# Altium PCB NZPP.PcbDoc (part 3 of 3)
Units mm, origin at the board's own origin, x right, y up, seen from the top; angles counter-clockwise.
Board outline 217.7 x 106.4 mm, 2 copper layers (Top Layer, Bottom Layer), stack 1.571 mm thick; 164 components, 125 nets, 738 pads, 4270 vias.
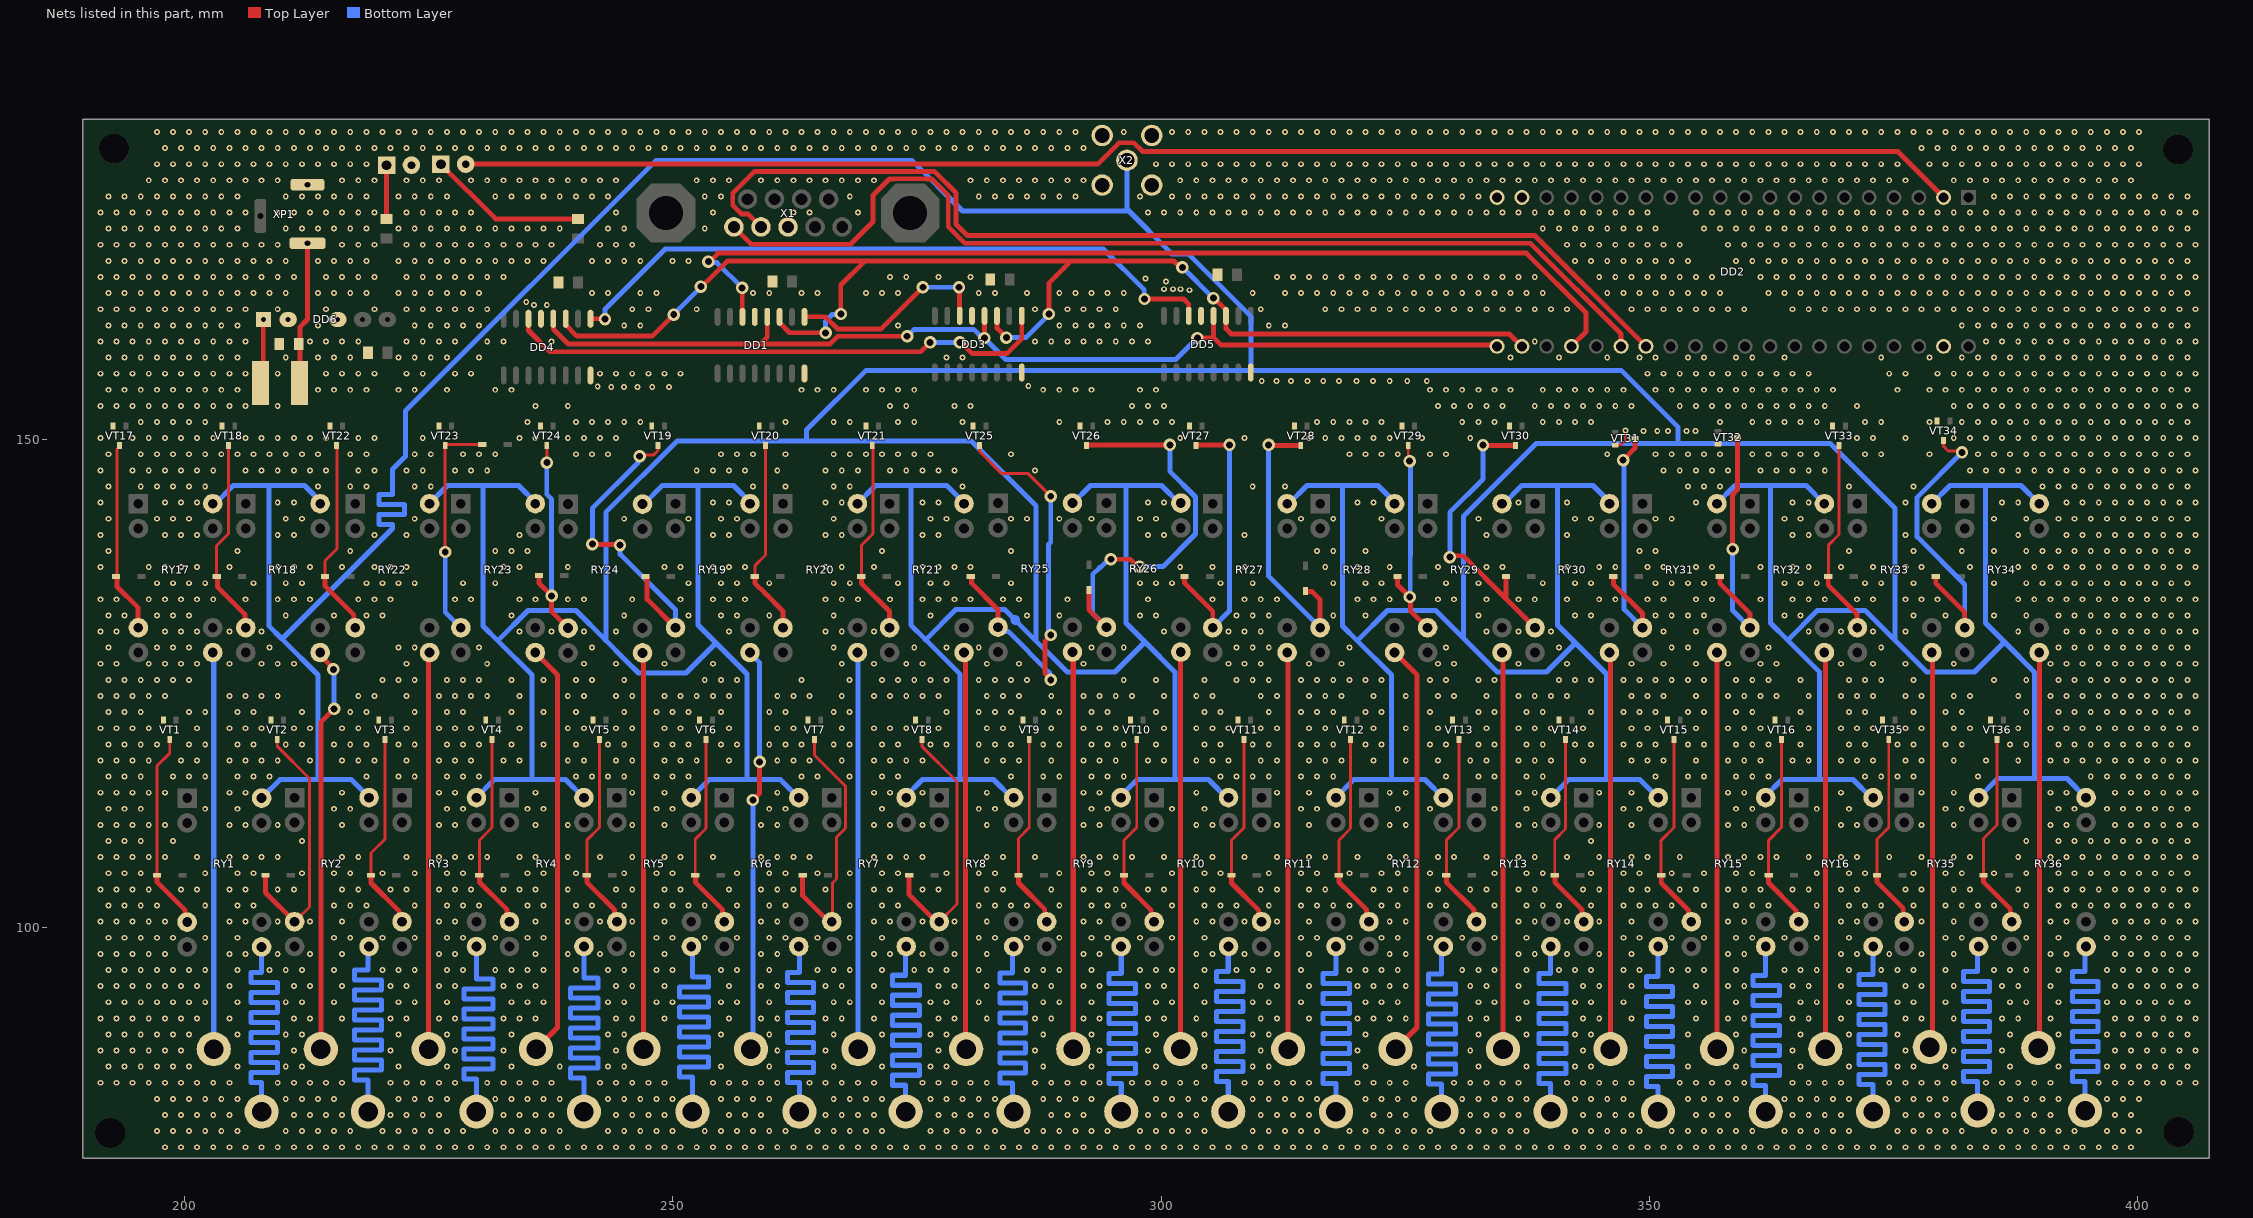
[diagram p3: the nets of this part, all layers, seen from the top]

## Via types
v1: diameter 0.6, hole 0.3, Top Layer to Bottom Layer, tented both sides, 4188 vias
v2: diameter 1.27, hole 0.711, Top Layer to Bottom Layer, tented both sides, 80 vias
v3: diameter 1.27, hole 0.711, Top Layer to Bottom Layer, 2 vias

## Nets (pads, with @x,y where several pads share a name; then routed paths per layer and width w, separated by ;. In a path a pad name is that pad's centre, name@x,y a point inside that pad or via, vN(x,y) a via of type N, cw(c..) or ccw(c..) an arc to the next point about the centre after c; other vN are vias at no path point) (continued)
GND: (continued)
  other v1: 235.125,171.6 236.775,171.6 238.425,171.6 243.375,171.6 245.025,171.6 253.275,171.6 339.075,171.6 340.725,171.6 342.375,171.6 344.025,171.6 345.675,171.6 347.325,171.6 348.975,171.6 350.625,171.6 355.575,171.6 357.225,171.6 358.875,171.6 360.525,171.6 362.175,171.6 363.825,171.6 365.475,171.6 367.125,171.6 368.775,171.6 370.425,171.6 372.075,171.6 373.725,171.6 375.375,171.6 377.025,171.6 378.675,171.6 380.325,171.6 381.975,171.6 383.625,171.6 385.275,171.6 386.925,171.6 388.575,171.6 390.225,171.6 391.875,171.6 393.525,171.6 395.175,171.6 396.825,171.6 398.475,171.6 400.125,171.6 401.775,171.6 403.425,171.6 405.075,171.6 191.4,173.25 193.05,173.25 194.7,173.25 196.35,173.25 198,173.25 199.65,173.25 201.3,173.25 202.95,173.25 204.6,173.25 206.25,173.25 209.55,173.25 211.2,173.25 212.85,173.25 214.5,173.25 216.15,173.25 217.8,173.25 219.45,173.25 222.75,173.25 224.4,173.25 226.05,173.25 227.7,173.25 229.35,173.25 244.2,173.25 254.1,173.25 262.35,173.25 264,173.25 268.95,173.25 298.65,173.25 300.3,173.25 301.95,173.25 303.6,173.25 305.25,173.25 306.9,173.25 308.55,173.25 310.2,173.25 311.85,173.25 313.5,173.25 315.15,173.25 316.8,173.25 318.45,173.25 320.1,173.25 321.75,173.25 323.4,173.25 325.05,173.25 326.7,173.25 328.35,173.25 330,173.25 331.65,173.25 333.3,173.25 334.95,173.25 336.6,173.25 338.25,173.25 339.9,173.25 341.55,173.25 343.2,173.25 344.85,173.25 346.5,173.25 348.15,173.25 349.8,173.25 354.75,173.25 356.4,173.25 358.05,173.25 359.7,173.25 361.35,173.25 363,173.25 364.65,173.25 366.3,173.25 367.95,173.25 369.6,173.25 371.25,173.25 372.9,173.25 374.55,173.25 376.2,173.25 377.85,173.25 379.5,173.25 381.15,173.25 382.8,173.25 384.45,173.25 386.1,173.25 387.75,173.25 389.4,173.25 391.05,173.25 392.7,173.25 394.35,173.25 396,173.25 397.65,173.25 399.3,173.25 400.95,173.25 402.6,173.25 404.25,173.25 405.9,173.25 192.225,174.9 193.875,174.9 195.525,174.9 197.175,174.9 198.825,174.9 200.475,174.9 202.125,174.9 203.775,174.9 205.425,174.9 210.375,174.9 212.025,174.9 213.675,174.9 215.325,174.9 216.975,174.9 218.625,174.9 221.925,174.9 223.575,174.9 225.225,174.9 226.875,174.9 231.825,174.9 233.475,174.9 235.125,174.9 236.775,174.9 238.425,174.9 240.075,174.9 241.725,174.9 243.375,174.9 253.275,174.9 254.925,174.9 268.125,174.9 281.325,174.9 282.975,174.9 284.625,174.9 286.275,174.9 287.925,174.9 289.575,174.9 291.225,174.9 297.825,174.9 301.125,174.9 302.775,174.9 304.425,174.9 306.075,174.9 307.725,174.9 309.375,174.9 311.025,174.9 312.675,174.9 314.325,174.9 315.975,174.9 317.625,174.9 319.275,174.9 320.925,174.9 322.575,174.9 324.225,174.9 325.875,174.9 327.525,174.9 329.175,174.9 330.825,174.9 332.475,174.9 385.275,174.9 386.925,174.9 388.575,174.9 390.225,174.9 391.875,174.9 393.525,174.9 395.175,174.9 396.825,174.9 398.475,174.9 400.125,174.9 401.775,174.9 403.425,174.9 405.075,174.9 196.35,176.55 198,176.55 199.65,176.55 201.3,176.55 202.95,176.55 204.6,176.55 206.25,176.55 207.9,176.55 209.55,176.55 216.15,176.55 217.8,176.55 219.45,176.55 222.75,176.55 224.4,176.55 226.05,176.55 229.35,176.55 231,176.55 232.65,176.55 234.3,176.55 235.95,176.55 237.6,176.55 239.25,176.55 240.9,176.55 242.55,176.55 244.2,176.55 252.45,176.55 254.1,176.55 255.75,176.55 259.05,176.55 260.7,176.55 262.35,176.55 264,176.55 265.65,176.55 267.3,176.55 268.95,176.55 270.6,176.55 280.5,176.55 282.15,176.55 283.8,176.55 285.45,176.55 287.1,176.55 288.75,176.55 290.4,176.55 292.05,176.55 301.95,176.55 303.6,176.55 305.25,176.55 306.9,176.55 308.55,176.55 310.2,176.55 311.85,176.55 313.5,176.55 315.15,176.55 316.8,176.55 318.45,176.55 320.1,176.55 321.75,176.55 323.4,176.55 325.05,176.55 326.7,176.55 328.35,176.55 330,176.55 331.65,176.55 333.3,176.55 334.95,176.55 336.6,176.55 338.25,176.55 339.9,176.55 341.55,176.55 343.2,176.55 344.85,176.55 346.5,176.55 348.15,176.55 349.8,176.55 351.45,176.55 353.1,176.55 354.75,176.55 356.4,176.55 358.05,176.55 359.7,176.55 361.35,176.55 363,176.55 364.65,176.55 366.3,176.55 367.95,176.55 369.6,176.55 371.25,176.55 372.9,176.55 374.55,176.55 376.2,176.55 381.15,176.55 382.8,176.55 384.45,176.55 386.1,176.55 387.75,176.55 389.4,176.55 391.05,176.55 392.7,176.55 394.35,176.55 396,176.55 397.65,176.55 399.3,176.55 197.175,178.2 198.825,178.2 200.475,178.2 202.125,178.2 203.775,178.2 205.425,178.2 207.075,178.2 208.725,178.2 210.375,178.2 212.025,178.2 213.675,178.2 215.325,178.2 216.975,178.2 218.625,178.2 299.475,178.2 301.125,178.2 302.775,178.2 304.425,178.2 306.075,178.2 307.725,178.2 309.375,178.2 311.025,178.2 312.675,178.2 314.325,178.2 315.975,178.2 317.625,178.2 319.275,178.2 320.925,178.2 322.575,178.2 324.225,178.2 325.875,178.2 327.525,178.2 329.175,178.2 330.825,178.2 332.475,178.2 334.125,178.2 335.775,178.2 337.425,178.2 339.075,178.2 340.725,178.2 342.375,178.2 344.025,178.2 345.675,178.2 347.325,178.2 348.975,178.2 350.625,178.2 352.275,178.2 353.925,178.2 355.575,178.2 357.225,178.2 358.875,178.2 360.525,178.2 362.175,178.2 363.825,178.2 365.475,178.2 367.125,178.2 368.775,178.2 370.425,178.2 372.075,178.2 373.725,178.2 375.375,178.2 378.675,178.2 380.325,178.2 381.975,178.2 383.625,178.2 385.275,178.2 386.925,178.2 388.575,178.2 390.225,178.2 391.875,178.2 393.525,178.2 395.175,178.2 396.825,178.2 398.475,178.2 400.125,178.2 198,179.85 199.65,179.85 201.3,179.85 202.95,179.85 204.6,179.85 206.25,179.85 207.9,179.85 209.55,179.85 211.2,179.85 212.85,179.85 214.5,179.85 216.15,179.85 217.8,179.85 219.45,179.85 221.1,179.85 222.75,179.85 224.4,179.85 226.05,179.85 227.7,179.85 229.35,179.85 231,179.85 232.65,179.85 234.3,179.85 235.95,179.85 237.6,179.85 239.25,179.85 240.9,179.85 242.55,179.85 244.2,179.85 245.85,179.85 247.5,179.85 249.15,179.85 250.8,179.85 252.45,179.85 254.1,179.85 255.75,179.85 257.4,179.85 259.05,179.85 260.7,179.85 262.35,179.85 264,179.85 265.65,179.85 267.3,179.85 268.95,179.85 270.6,179.85 272.25,179.85 273.9,179.85 275.55,179.85 277.2,179.85 278.85,179.85 280.5,179.85 282.15,179.85 283.8,179.85 285.45,179.85 287.1,179.85 288.75,179.85 290.4,179.85 292.05,179.85 377.85,179.85 379.5,179.85 381.15,179.85 382.8,179.85 384.45,179.85 386.1,179.85 387.75,179.85 389.4,179.85 391.05,179.85 392.7,179.85 394.35,179.85 396,179.85 397.65,179.85 399.3,179.85 197.175,181.5 198.825,181.5 200.475,181.5 202.125,181.5 203.775,181.5 205.425,181.5 207.075,181.5 208.725,181.5 210.375,181.5 212.025,181.5 213.675,181.5 215.325,181.5 216.975,181.5 218.625,181.5 220.275,181.5 221.925,181.5 223.575,181.5 225.225,181.5 226.875,181.5 228.525,181.5 230.175,181.5 231.825,181.5 233.475,181.5 235.125,181.5 236.775,181.5 238.425,181.5 240.075,181.5 241.725,181.5 243.375,181.5 245.025,181.5 246.675,181.5 248.325,181.5 249.975,181.5 251.625,181.5 253.275,181.5 254.925,181.5 256.575,181.5 258.225,181.5 259.875,181.5 261.525,181.5 263.175,181.5 264.825,181.5 266.475,181.5 268.125,181.5 269.775,181.5 271.425,181.5 273.075,181.5 274.725,181.5 276.375,181.5 278.025,181.5 279.675,181.5 281.325,181.5 282.975,181.5 284.625,181.5 286.275,181.5 287.925,181.5 289.575,181.5 291.225,181.5 296.175,181.5 301.125,181.5 302.775,181.5 304.425,181.5 306.075,181.5 307.725,181.5 309.375,181.5 311.025,181.5 312.675,181.5 314.325,181.5 315.975,181.5 317.625,181.5 319.275,181.5 320.925,181.5 322.575,181.5 324.225,181.5 325.875,181.5 327.525,181.5 329.175,181.5 330.825,181.5 332.475,181.5 334.125,181.5 335.775,181.5 337.425,181.5 339.075,181.5 340.725,181.5 342.375,181.5 344.025,181.5 345.675,181.5 347.325,181.5 348.975,181.5 350.625,181.5 352.275,181.5 353.925,181.5 355.575,181.5 357.225,181.5 358.875,181.5 360.525,181.5 362.175,181.5 363.825,181.5 365.475,181.5 367.125,181.5 368.775,181.5 370.425,181.5 372.075,181.5 373.725,181.5 375.375,181.5 377.025,181.5 378.675,181.5 380.325,181.5 381.975,181.5 383.625,181.5 385.275,181.5 386.925,181.5 388.575,181.5 390.225,181.5 391.875,181.5 393.525,181.5 395.175,181.5 396.825,181.5 398.475,181.5 400.125,181.5
MOSI: DD1.14 DD2.28 | length 104.4
  Top Layer w0.5: v2(253.645,168.22) 253.764,168.22 254.644,169.1 337.4,169.1 343.5,163 343.5,161.05 DD2.28@342,159.55 ; v2(257.1,165.539) 257.114,165.525 257.114,162.589 DD1.14@257.127,162.575
  Bottom Layer w0.5: v2(253.645,168.22) 253.737,168.128 254.511,168.128 v2(257.1,165.539)
NET1: 1.1 RY1.8 | length 46.2
  Bottom Layer w0.516: 1.1@207.9,81.2 207.9,83.91 207.9,84.168 206.81,84.168 206.81,85.192 209.525,85.192 209.525,86.216 206.81,86.216 206.81,87.24 209.525,87.24 209.525,88.264 206.81,88.264 206.81,89.288 209.525,89.288 209.525,90.312 206.81,90.312 206.81,91.336 209.525,91.336 209.525,92.36 206.81,92.36 206.81,93.384 209.525,93.384 209.525,94.408 206.81,94.408 206.81,95.432 207.9,95.432 207.9,96.039 RY1.8@207.9,98.06
NET2: 2.1 RY2.8 | length 47.6
  Bottom Layer w0.516: 2.1@218.8,81.2 218.8,84.189 218.8,84.447 217.391,84.447 217.391,85.471 220.186,85.471 220.186,86.495 217.391,86.495 217.391,87.519 220.186,87.519 220.186,88.543 217.391,88.543 217.391,89.567 220.186,89.567 220.186,90.591 217.391,90.591 217.391,91.615 220.186,91.615 220.186,92.639 217.391,92.639 217.391,93.663 220.186,93.663 220.186,94.687 217.391,94.687 217.391,95.711 218.8,95.711 218.8,96.039 RY2.8@218.8,98.06
NET3: 3.1 RY3.8 | length 46.4
  Bottom Layer w0.516: 3.1@229.9,81.2 229.9,84.3 229.9,84.558 228.646,84.558 228.646,85.582 231.599,85.582 231.599,86.606 228.646,86.606 228.646,87.63 231.599,87.63 231.599,88.654 228.646,88.654 228.646,89.678 231.599,89.678 231.599,90.702 228.646,90.702 228.646,91.726 231.599,91.726 231.599,92.75 228.646,92.75 228.646,93.774 231.599,93.774 231.599,94.798 229.9,94.798 229.9,96.039 RY3.8@229.9,98.06
NET4: 4.1 RY4.8 | length 45
  Bottom Layer w0.516: 4.1@240.9,81.2 240.9,84.4 240.9,84.658 239.517,84.658 239.517,85.682 242.335,85.682 242.335,86.706 239.517,86.706 239.517,87.73 242.335,87.73 242.335,88.754 239.517,88.754 239.517,89.778 242.335,89.778 242.335,90.802 239.517,90.802 239.517,91.826 242.335,91.826 242.335,92.85 239.517,92.85 239.517,93.874 242.335,93.874 242.335,94.898 240.9,94.898 240.9,96.039 RY4.8@240.9,98.06
NET5: 5.1 RY5.8 | length 46.3
  Bottom Layer w0.516: 5.1@252.011,81.2 252.011,84.5 252.011,84.758 250.706,84.758 250.706,85.782 253.646,85.782 253.646,86.806 250.706,86.806 250.706,87.83 253.646,87.83 253.646,88.854 250.706,88.854 250.706,89.878 253.646,89.878 253.646,90.902 250.706,90.902 250.706,91.926 253.646,91.926 253.646,92.95 250.706,92.95 250.706,93.974 253.646,93.974 253.646,94.998 252.011,94.998 252.011,96.039 RY5.8@252.011,98.06
NET6: 6.1 RY6.8 | length 45.9
  Bottom Layer w0.516: 6.1@262.964,81.2 262.964,83.9 262.964,84.158 261.738,84.158 261.738,85.182 264.395,85.182 264.395,86.206 261.738,86.206 261.738,87.23 264.395,87.23 264.395,88.254 261.738,88.254 261.738,89.278 264.395,89.278 264.395,90.302 261.738,90.302 261.738,91.326 264.395,91.326 264.395,92.35 261.738,92.35 261.738,93.374 264.395,93.374 264.395,94.398 261.738,94.398 261.738,95.422 262.964,95.422 262.964,96.039 RY6.8@262.964,98.06
NET7: 7.1 RY7.8 | length 46.8
  Bottom Layer w0.516: 7.1@273.844,81.2 273.844,83.638 273.844,83.896 272.507,83.896 272.507,84.92 275.238,84.92 275.238,85.944 272.507,85.944 272.507,86.968 275.238,86.968 275.238,87.992 272.507,87.992 272.507,89.016 275.238,89.016 275.238,90.04 272.507,90.04 272.507,91.064 275.238,91.064 275.238,92.088 272.507,92.088 272.507,93.112 275.238,93.112 275.238,94.136 272.507,94.136 272.507,95.16 273.844,95.16 273.844,96.039 RY7.8@273.844,98.06
NET8: 8.1 RY8.8 | length 45.9
  Bottom Layer w0.516: 8.1@284.8,81.5 284.8,83.86 284.8,84.118 283.49,84.118 283.49,85.142 286.131,85.142 286.131,86.166 283.49,86.166 283.49,87.19 286.131,87.19 286.131,88.214 283.49,88.214 283.49,89.238 286.131,89.238 286.131,90.262 283.49,90.262 283.49,91.286 286.131,91.286 286.131,92.31 283.49,92.31 283.49,93.334 286.131,93.334 286.131,94.358 283.49,94.358 283.49,95.382 284.8,95.382 284.8,96.339 RY8.8@284.8,98.36
NET9: 9.1 RY9.8 | length 46.4
  Bottom Layer w0.516: 9.1@295.917,81.2 295.917,83.8 295.917,84.058 294.654,84.058 294.654,85.082 297.358,85.082 297.358,86.106 294.654,86.106 294.654,87.13 297.358,87.13 297.358,88.154 294.654,88.154 294.654,89.178 297.358,89.178 297.358,90.202 294.654,90.202 294.654,91.226 297.358,91.226 297.358,92.25 294.654,92.25 294.654,93.274 297.358,93.274 297.358,94.298 294.654,94.298 294.654,95.322 295.917,95.322 295.917,96.039 RY9.8@295.917,98.06
NET10: 10.1 RY10.8 | length 46
  Bottom Layer w0.516: 10.1@306.87,81.2 306.87,84.039 306.87,84.297 305.685,84.297 305.685,85.321 308.36,85.321 308.36,86.345 305.685,86.345 305.685,87.369 308.36,87.369 308.36,88.393 305.685,88.393 305.685,89.417 308.36,89.417 308.36,90.441 305.685,90.441 305.685,91.465 308.36,91.465 308.36,92.489 305.685,92.489 305.685,93.513 308.36,93.513 308.36,94.537 305.685,94.537 305.685,95.561 306.87,95.561 306.87,96.039 RY10.8@306.87,98.06
NET11: 11.1 RY11.8 | length 46.4
  Bottom Layer w0.516: 11.1@317.9,81.2 317.9,83.81 317.9,84.068 316.587,84.068 316.587,85.092 319.276,85.092 319.276,86.116 316.587,86.116 316.587,87.14 319.276,87.14 319.276,88.164 316.587,88.164 316.587,89.188 319.276,89.188 319.276,90.212 316.587,90.212 316.587,91.236 319.276,91.236 319.276,92.26 316.587,92.26 316.587,93.284 319.276,93.284 319.276,94.308 316.587,94.308 316.587,95.332 317.9,95.332 317.9,96.039 RY11.8@317.9,98.06
NET12: 12.1 RY12.8 | length 47
  Bottom Layer w0.516: 12.1@328.7,81.2 328.7,83.769 328.7,84.027 327.375,84.027 327.375,85.051 330.121,85.051 330.121,86.075 327.375,86.075 327.375,87.099 330.121,87.099 330.121,88.123 327.375,88.123 327.375,89.147 330.121,89.147 330.121,90.171 327.375,90.171 327.375,91.195 330.121,91.195 330.121,92.219 327.375,92.219 327.375,93.243 330.121,93.243 330.121,94.267 327.375,94.267 327.375,95.291 328.7,95.291 328.7,96.039 RY12.8@328.7,98.06
NET13: 13.1 RY13.8 | length 46.9
  Bottom Layer w0.516: 13.1@339.873,81.2 339.873,83.81 339.873,84.068 338.682,84.068 338.682,85.092 341.451,85.092 341.451,86.116 338.682,86.116 338.682,87.14 341.451,87.14 341.451,88.164 338.682,88.164 338.682,89.188 341.451,89.188 341.451,90.212 338.682,90.212 338.682,91.236 341.451,91.236 341.451,92.26 338.682,92.26 338.682,93.284 341.451,93.284 341.451,94.308 338.682,94.308 338.682,95.332 339.873,95.332 339.873,96.039 RY13.8@339.873,98.06
NET14: 14.1 RY14.8 | length 45.6
  Bottom Layer w0.516: 14.1@350.861,81.2 350.861,83.52 350.861,83.778 349.712,83.778 349.712,84.802 352.352,84.802 352.352,85.826 349.712,85.826 349.712,86.85 352.352,86.85 352.352,87.874 349.712,87.874 349.712,88.898 352.352,88.898 352.352,89.922 349.712,89.922 349.712,90.946 352.352,90.946 352.352,91.97 349.712,91.97 349.712,92.994 352.352,92.994 352.352,94.018 349.712,94.018 349.712,95.042 350.861,95.042 350.861,96.039 RY14.8@350.861,98.06
NET15: 15.1 RY15.8 | length 46.7
  Bottom Layer w0.516: 15.1@361.9,81.2 361.9,83.629 361.9,83.887 360.6,83.887 360.6,84.911 363.324,84.911 363.324,85.935 360.6,85.935 360.6,86.959 363.324,86.959 363.324,87.983 360.6,87.983 360.6,89.007 363.324,89.007 363.324,90.031 360.6,90.031 360.6,91.055 363.324,91.055 363.324,92.079 360.6,92.079 360.6,93.103 363.324,93.103 363.324,94.127 360.6,94.127 360.6,95.151 361.9,95.151 361.9,96.039 RY15.8@361.9,98.06
NET16: 16.1 RY16.8 | length 46.5
  Bottom Layer w0.516: 16.1@372.9,81.2 372.9,83.7 372.9,83.958 371.449,83.958 371.449,84.982 374.12,84.982 374.12,86.006 371.449,86.006 371.449,87.03 374.12,87.03 374.12,88.054 371.449,88.054 371.449,89.078 374.12,89.078 374.12,90.102 371.449,90.102 371.449,91.126 374.12,91.126 374.12,92.15 371.449,92.15 371.449,93.174 374.12,93.174 374.12,94.198 371.449,94.198 371.449,95.222 372.9,95.222 372.9,96.039 RY16.8@372.9,98.06
NET17: 17.1 RY17.8 | length 40.6
  Bottom Layer w0.516: RY17.8@202.92,128.2 203,128.12 17.1@203,87.6
NET18: 18.1 RY18.8 | length 41.8
  Top Layer w0.516: RY18.8@213.9,127.929 v2@215.197,126.633 ; 18.1@213.964,87.6 213.964,121.062 v2(215.334,122.432)
  Top Layer w1: RY18.8@213.9,127.929 RY18.8@213.9,128.2 ; v2@215.197,126.633 215.197,126.527 v2(215.248,126.475)
  Bottom Layer w0.516: v2(215.248,126.475) 215.291,126.433 215.291,122.475 v2(215.334,122.432)
NET19: 19.1 RY21.8 | length 40.6
  Top Layer w0.516: RY21.8@279.96,128.2 279.96,87.68 19.1@280.04,87.6
NET20: 20.1 RY22.8 | length 40.5
  Top Layer w0.516: 20.1@225,87.6 RY22.8@225,128.12
NET21: 21.1 RY23.8 | length 42.5
  Top Layer w0.516: RY23.8@235.92,128.2 238.2,125.92 238.2,89.8 21.1@236,87.6
NET22: 22.1 RY24.8 | length 40.6
  Top Layer w0.516: RY24.8@246.92,128.2 247,128.12 22.1@247,87.6
NET23: 23.1 RY19.8 | length 41.4
  Top Layer w0.516: v2(258.2,113.1) 258.9,113.8 v2(258.9,117)
  Bottom Layer w0.516: RY19.8@257.92,128.2 257.92,128.136 258.9,127.156 v2(258.9,117) ; 23.1@258,87.6 258.2,87.8 v2(258.2,113.1)
NET24: 24.1 RY20.8 | length 40.6
  Bottom Layer w0.516: RY20.8@268.9,128.2 268.95,128.15 268.95,87.65 24.1@269,87.6
NET25: 25.1 RY25.8 | length 40.6
  Top Layer w0.516: RY25.8@290.92,128.2 291,128.12 25.1@291,87.6
NET26: 26.1 RY26.8 | length 40.5
  Top Layer w0.516: RY26.8@301.92,128.088 302,128.008 26.1@302,87.6
NET27: 27.1 RY27.8 | length 40.6
  Top Layer w0.516: RY27.8@312.92,128.2 313,128.12 27.1@313,87.6
NET28: 28.1 RY28.8 | length 42.5
  Top Layer w0.516: RY28.8@323.92,128.2 326.2,125.92 326.2,89.8 28.1@324,87.6
NET29: 29.1 RY29.8 | length 40.6
  Top Layer w0.516: RY29.8@334.92,128.2 335,128.12 29.1@335,87.6
NET30: 30.1 RY30.8 | length 40.6
  Top Layer w0.516: RY30.8@345.92,128.2 346,128.12 30.1@346,87.6
NET31: 31.1 RY31.8 | length 40.6
  Top Layer w0.516: RY31.8@356.84,128.2 356.92,128.12 31.1@356.92,87.6
NET32: 32.1 RY32.8 | length 40.6
  Top Layer w0.516: RY32.8@367.92,128.2 368,128.12 32.1@368,87.6
NET33: 33.1 RY33.8 | length 40.5
  Top Layer w0.516: 33.1@378.7,87.8 378.988,88.088 RY33.8@378.988,128.2
NET34: 34.1 RY34.8 | length 40.5
  Top Layer w0.516: 34.1@389.8,87.7 389.92,87.82 RY34.8@389.92,128.2
NET35: 35.1 RY35.8 | length 46.1
  Bottom Layer w0.516: 35.1@383.6,81.3 383.6,84 383.6,84.258 382.171,84.258 382.171,85.282 384.808,85.282 384.808,86.306 382.171,86.306 382.171,87.33 384.808,87.33 384.808,88.354 382.171,88.354 382.171,89.378 384.808,89.378 384.808,90.402 382.171,90.402 382.171,91.426 384.808,91.426 384.808,92.45 382.171,92.45 382.171,93.474 384.808,93.474 384.808,94.498 382.171,94.498 382.171,95.522 383.6,95.522 383.6,96.139 RY35.8@383.6,98.16
NET36: 36.1 RY36.8 | length 45.5
  Bottom Layer w0.516: 36.1@394.6,81.3 394.6,84.039 394.6,84.297 393.313,84.297 393.313,85.321 395.92,85.321 395.92,86.345 393.313,86.345 393.313,87.369 395.92,87.369 395.92,88.393 393.313,88.393 393.313,89.417 395.92,89.417 395.92,90.441 393.313,90.441 393.313,91.465 395.92,91.465 395.92,92.489 393.313,92.489 393.313,93.513 395.92,93.513 395.92,94.537 393.313,94.537 393.313,95.561 394.6,95.561 394.6,96.139 RY36.8@394.6,98.16
NET37: RY1.14 RY2.14 RY3.14 RY4.14 RY5.14 RY6.14 RY7.14 RY8.14 RY9.14 RY10.14 RY11.14 RY12.14 RY13.14 RY14.14 RY15.14 RY16.14 RY17.14 RY18.14 RY19.14 RY20.14 RY21.14 RY22.14 RY23.14 RY24.14 RY25.14 RY26.14 RY27.14 RY28.14 RY29.14 RY30.14 RY31.14 RY32.14 RY33.14 RY34.14 RY35.14 RY36.14 X2.1 | length 1025.3
  Bottom Layer w0.516: RY17.14@203.145,143.445 205.005,145.305 208.645,145.305 ; RY1.14@207.9,113.3 209.805,115.205 213.674,115.205 ; 210.162,129.415 213.674,125.903 213.674,115.205 ; RY18.14@214.145,143.445 212.285,145.305 208.645,145.305 ; RY2.14@218.945,113.345 217.085,115.205 213.674,115.205 ; RY22.14@225.1,143.468 226.932,145.3 230.572,145.3 ; RY3.14@229.872,113.34 231.732,115.2 235.602,115.2 ; RY23.14@236.072,143.44 234.212,145.3 230.572,145.3 ; RY4.14@240.872,113.34 239.012,115.2 235.602,115.2 ; 243.15,129.571 243.15,142.551 250.475,149.876 263.7,149.876 ; 245.146,127.433 243.08,129.5 240.085,132.494 235.173,132.494 232.09,129.41 ; 245.217,127.363 246.479,126.1 251.353,126.1 254.427,129.173 ; RY24.14@247.072,143.44 248.932,145.3 252.572,145.3 ; RY5.14@251.886,113.354 253.732,115.2 261.012,115.2 RY6.14@262.872,113.34 ; 257.602,115.429 257.602,125.998 254.427,129.173 ; RY19.14@258.072,143.44 256.212,145.3 252.572,145.3 ; RY20.14@268.9,143.44 270.76,145.3 274.4,145.3 ; RY7.14@273.8,113.44 275.56,115.2 279.429,115.2 ; 275.85,129.55 274.4,131 274.4,145.3 ; RY21.14@279.86,143.48 278.04,145.3 274.4,145.3 ; RY8.14@284.7,113.34 282.84,115.2 279.429,115.2 ; 285.053,131.521 290.374,126.2 295.281,126.2 298.35,129.269 ; 285.053,131.526 283.979,132.6 278.98,132.6 275.89,129.51 279.429,125.971 279.429,115.2 ; 287.2,129.424 287.2,143.201 280.525,149.876 263.7,149.876 ; RY25.14@290.953,143.493 292.76,145.3 296.4,145.3 ; RY9.14@295.786,113.426 297.56,115.2 304.84,115.2 RY10.14@306.7,113.34 ; 296.5,173.4 279.666,173.4 274.466,178.6 248.3,178.6 222.643,152.943 222.643,148.296 221.3,146.954 221.3,145.1 221.3,144.359 219.942,144.359 219.942,143.335 222.549,143.335 222.549,142.311 219.942,142.311 219.942,141.287 221.3,141.287 221.3,141.029 221.3,140.9 209.988,129.588 208.645,130.932 208.645,145.305 ; 296.5,173.616 301.088,169.028 302.772,169.028 309.177,162.623 309.177,157.1 ; 296.5,173.8 X2.1@296.5,178.6 ; 301.429,115.429 301.429,126.19 298.35,129.269 ; RY26.14@301.9,143.44 300.04,145.3 296.4,145.3 ; RY27.14@313.072,143.44 314.932,145.3 318.572,145.3 ; RY11.14@317.872,113.34 319.732,115.2 323.602,115.2 ; RY28.14@324,143.512 322.212,145.3 318.572,145.3 ; RY12.14@328.872,113.34 327.012,115.2 323.602,115.2 ; RY29.14@335.072,143.44 336.932,145.3 340.572,145.3 ; RY13.14@339.872,113.34 341.732,115.2 349.012,115.2 RY14.14@350.872,113.34 ; 345.602,115.429 345.602,125.998 342.427,129.173 ; RY30.14@346,143.512 344.212,145.3 340.572,145.3 ; RY31.14@356.9,143.44 358.76,145.3 362.4,145.3 ; RY15.14@361.786,113.426 363.56,115.2 367.429,115.2 ; RY32.14@367.9,143.44 366.04,145.3 362.4,145.3 ; RY16.14@372.7,113.34 370.84,115.2 367.429,115.2 ; RY33.14@378.9,143.44 380.76,145.3 384.4,145.3 ; RY35.14@383.7,113.34 385.66,115.3 389.429,115.3 ; RY34.14@389.9,143.44 388.04,145.3 384.4,145.3 ; RY36.14@394.7,113.34 392.74,115.3 389.429,115.3 ; 230.572,145.3 230.572,130.928 232.09,129.41 ; 232.09,129.41 235.602,125.898 235.602,115.2 ; 252.572,145.3 252.572,131.028 254.427,129.173 ; 263.7,149.876 263.7,151 269.8,157.1 309.177,157.1 ; 296.4,145.3 296.4,131.219 298.35,129.269 ; 309.177,157.1 347.1,157.1 352.937,151.263 352.937,149.625 ; 318.572,145.3 318.572,130.928 320.09,129.41 ; 320.09,129.41 323.173,132.494 328.105,132.494 330.95,129.649 ; 320.09,129.41 323.602,125.898 323.602,115.2 ; 330.95,129.649 334.399,126.2 339.453,126.2 342.427,129.173 ; 330.95,129.649 330.95,142.15 338.425,149.625 352.937,149.625 ; 340.572,145.3 340.572,131.028 342.427,129.173 ; 352.937,149.625 368.475,149.625 375.15,142.95 375.15,129.424 ; 362.4,145.3 362.4,131.219 364.149,129.47 ; 364.149,129.47 367.429,126.19 367.429,115.2 ; 364.149,129.47 367.173,132.494 372.08,132.494 375.15,129.424 ; 375.15,129.424 378.374,126.2 383.281,126.2 386.35,129.269 ; 384.4,145.3 384.4,131.219 386.35,129.269 ; 386.35,129.269 389.429,126.19 389.429,115.3
  Bottom Layer w1: RY17.14@202.9,143.44 RY17.14@203.089,143.629 ; RY18.14@213.712,143.628 RY18.14@213.9,143.44 ; RY2.14@218.709,113.531 RY2.14@218.9,113.34 ; RY22.14@225.1,143.44 RY22.14@225.1,143.468 ; RY8.14@284.8,113.44 RY8.14@284.9,113.34 ; 285.053,131.521 285.053,131.526 ; RY25.14@290.919,143.5 RY25.14@290.947,143.5 ; RY9.14@295.872,113.34 RY9.14@295.9,113.34 ; RY26.14@301.992,143.5 RY26.14@302.019,143.5 ; RY10.14@306.872,113.34 RY10.14@306.9,113.34 ; RY27.14@312.9,143.44 RY27.14@312.928,143.44 ; RY11.14@317.872,113.34 RY11.14@317.9,113.34 ; RY28.14@323.9,143.44 RY28.14@323.928,143.44 ; RY12.14@328.872,113.34 RY12.14@328.9,113.34 ; RY29.14@334.9,143.44 RY29.14@334.928,143.44 ; RY13.14@339.872,113.34 RY13.14@339.9,113.34 ; RY30.14@345.9,143.44 RY30.14@345.928,143.44 ; RY14.14@350.872,113.34 RY14.14@350.9,113.34 ; RY15.14@361.872,113.34 RY15.14@361.9,113.34 ; RY16.14@372.872,113.34 RY16.14@372.9,113.34
NetDD1_9: DD1.9 DD3.14 | length 20.3
  Top Layer w0.5: DD1.9@263.477,162.575 265.625,162.575 266.863,161.337 271.337,161.337 v2(275.6,165.6) ; 279.356,164.9 279.356,162.694 DD3.14@279.375,162.675
  Bottom Layer w0.5: v2(275.6,165.6) v2(279.3,165.6)
NetDD2_2: DD2.2 HL1.2 | length 154.5
  Top Layer w0.5: HL1.2@228.8,178.2 271.955,178.2 271.967,178.212 276.633,178.212 276.645,178.2 293.5,178.2 295.7,180.4 297.2,180.4 298.104,179.496 375.404,179.496 DD2.2@380.1,174.8
NetDD3_9: DD3.9 DD4.14 | length 56.5
  Top Layer w0.5: DD4.14@235.227,162.375 235.227,161.173 237.4,159 275.389,159 v2(276.343,159.954) ; v2(279.4,159.961) 279.517,159.961 280.678,158.8 284.2,158.8 285.725,160.325 DD3.9@285.725,162.675
  Bottom Layer w0.5: v2(276.343,159.954) 276.35,159.961 v2(279.4,159.961)
NetDD4_9: DD4.9 DD5.14 | length 68.9
  Top Layer w0.5: DD4.9@241.577,162.375 243.025,162.375 v2(243.062,162.338) v2@243.1,162.3 ; v2(298.3,164.4) 302.3,164.4 302.827,163.873 DD5.14@302.827,162.675
  Bottom Layer w0.5: v2(243.062,162.338) 243.062,163.362 249.2,169.5 294.1,169.5 298.271,165.329 298.271,164.429 v2(298.3,164.4)
NetDD6_1: DD6.1 L1.2 | length 6.1
  Top Layer w0.5: L1.2@207.9,156.575 208.065,156.74 DD6.1@208.065,162.6
NetHL1_1: HL1.1 R1.1 | length 16.4
  Top Layer w0.5: HL1.1@226.26,178.2 231.86,172.6 R1.1@240.3,172.6
NetHL2_1: HL2.1 R2.1 | length 5.5
  Top Layer w0.5: R2.1@220.7,172.6 HL2.1@220.7,178.1
NetRY1_6: RY1.6 VD1.1 VT1.3 | length 20.5
  Top Layer w0.3: VD1.1@197.2,105.4 197.2,116.6 198.5,117.9 VT1.3@198.5,119.3
  Top Layer w0.5: VD1.1@197.2,105.4 197.207,105.4 197.207,104.693 200.053,101.847 200.053,100.827 RY1.6@200.28,100.6
NetRY2_6: RY2.6 VD2.1 VT2.3 | length 26.7
  Top Layer w0.3: VT2.3@209.5,119.3 209.5,118.6 212.8,115.3 212.8,102.16 RY2.6@211.5,100.86
  Top Layer w0.5: VD2.1@208.3,105.4 208.3,103.62 RY2.6@211.28,100.64 RY2.6@211.5,100.86
NetRY3_6: RY3.6 VD3.1 VT3.3 | length 20.6
  Top Layer w0.3: VD3.1@219.1,105.4 219.1,107.672 220.55,109.122 VT3.3@220.55,119.3
  Top Layer w0.5: VD3.1@219.1,105.4 219.1,104.6 221.993,101.707 221.993,100.927 RY3.6@222.28,100.64
NetRY4_6: RY4.6 VD4.1 VT4.3 | length 20.5
  Top Layer w0.3: VD4.1@230.2,105.4 230.2,108.973 231.5,110.273 VT4.3@231.5,119.3
  Top Layer w0.5: VD4.1@230.2,105.4 230.207,105.4 230.207,104.693 233.033,101.867 233.033,100.887 RY4.6@233.28,100.64
NetRY5_6: RY5.6 VD5.1 VT5.3 | length 20.5
  Top Layer w0.3: VD5.1@241.2,105.4 241.2,108.973 242.5,110.273 VT5.3@242.5,119.3
  Top Layer w0.5: VD5.1@241.2,105.4 241.207,105.4 241.207,104.693 244.033,101.867 244.033,100.887 RY5.6@244.28,100.64
NetRY6_6: RY6.6 VD6.1 VT6.3 | length 20.4
  Top Layer w0.3: VD6.1@252.3,105.4 252.3,109.073 253.4,110.173 VT6.3@253.4,119.3
  Top Layer w0.5: VD6.1@252.3,105.4 252.307,105.4 252.307,104.693 255.083,101.917 255.083,100.837 RY6.6@255.28,100.64
NetRY7_6: RY7.6 VD7.1 VT7.3 | length 26.7
  Top Layer w0.3: VT7.3@264.5,119.3 264.5,117.691 267.684,114.507 267.684,110.218 266.764,109.299 266.764,105.018 266.354,104.608 266.354,100.714 RY7.6@266.28,100.64
  Top Layer w0.5: VD7.1@263.3,105.4 263.3,103.3 265.96,100.64 RY7.6@266.28,100.64
NetRY8_6: RY8.6 VD8.1 VT8.3 | length 27.1
  Top Layer w0.3: VT8.3@275.5,119.3 275.5,118.6 279.1,115 279.1,102.46 RY8.6@277.28,100.64
  Top Layer w0.5: VD8.1@274.2,105.4 274.2,103.4 276.96,100.64 RY8.6@277.28,100.64
NetRY9_6: RY9.6 VD9.1 VT9.3 | length 20.3
  Top Layer w0.3: VD9.1@285.4,105.4 285.4,109.173 286.5,110.273 VT9.3@286.5,119.3
  Top Layer w0.5: VD9.1@285.4,105.4 285.4,104.6 288.083,101.917 288.083,100.837 RY9.6@288.28,100.64
NetRY10_6: RY10.6 VD10.1 VT10.3 | length 20.5
  Top Layer w0.3: VD10.1@296.2,105.4 296.2,108.973 297.5,110.273 VT10.3@297.5,119.3
  Top Layer w0.5: VD10.1@296.2,105.4 296.2,104.6 298.993,101.807 298.993,100.927 RY10.6@299.28,100.64
NetRY11_6: RY11.6 VD11.1 VT11.3 | length 20.5
  Top Layer w0.3: VD11.1@307.2,105.4 307.2,108.973 308.5,110.273 VT11.3@308.5,119.3
  Top Layer w0.5: VD11.1@307.2,105.4 307.2,104.6 309.993,101.807 309.993,100.927 RY11.6@310.28,100.64
NetRY12_6: RY12.6 VD12.1 VT12.3 | length 20.4
  Top Layer w0.3: VD12.1@318.2,105.4 318.2,108.973 319.4,110.173 VT12.3@319.4,119.3
  Top Layer w0.5: VD12.1@318.2,105.4 318.207,105.4 318.207,104.693 319.4,103.5 321.033,101.867 321.033,100.887 RY12.6@321.28,100.64
NetRY13_6: RY13.6 VD18.1 VT13.3 | length 20.5
  Top Layer w0.3: VD18.1@329.2,105.4 329.2,108.973 330.5,110.273 VT13.3@330.5,119.3
  Top Layer w0.5: VD18.1@329.2,105.4 329.207,105.4 329.207,104.693 332.033,101.867 332.033,100.887 RY13.6@332.28,100.64
NetRY14_6: RY14.6 VD13.1 VT14.3 | length 20.4
  Top Layer w0.3: VD13.1@340.3,105.4 340.3,109.042 341.4,110.142 VT14.3@341.4,119.3
  Top Layer w0.5: VD13.1@340.3,105.4 340.307,105.4 340.307,104.693 343.083,101.917 343.083,100.837 RY14.6@343.28,100.64
NetRY15_6: RY15.6 VD14.1 VT15.3 | length 20.5
  Top Layer w0.3: VD14.1@351.2,105.4 351.2,108.973 352.5,110.273 VT15.3@352.5,119.3
  Top Layer w0.5: VD14.1@351.2,105.4 351.2,104.6 353.993,101.807 353.993,100.927 RY15.6@354.28,100.64
NetRY16_6: RY16.6 VD15.1 VT16.3 | length 20.5
  Top Layer w0.3: VD15.1@362.2,105.4 362.2,108.973 363.5,110.273 VT16.3@363.5,119.3
  Top Layer w0.5: VD15.1@362.2,105.4 362.2,104.6 364.993,101.807 364.993,100.927 RY16.6@365.28,100.64
NetRY17_6: RY17.6 VD16.1 VT17.3 | length 19.7
  Top Layer w0.3: VD16.1@193.1,136 193.1,149.05 193.35,149.3 VT17.3@193.35,149.4
  Top Layer w0.5: VD16.1@193.1,136 193.1,134.955 195.233,132.823 195.233,130.787 RY17.6@195.28,130.74
NetRY18_6: RY18.6 VD17.1 VT18.3 | length 20.4
  Top Layer w0.3: VD17.1@203.3,136 203.3,139.173 204.5,140.373 VT18.3@204.5,149.4
  Top Layer w0.5: VD17.1@203.3,136 203.368,136 203.368,134.932 206.183,132.117 206.183,130.837 RY18.6@206.28,130.74
NetRY19_6: RY19.6 VD19.1 VT19.3 | length 34
  Top Layer w0.3: v2@246.747,148.447 248.047,148.447 248.5,148.9 VT19.3@248.5,149.4
  Top Layer w0.5: v2(241.761,139.3) 241.811,139.25 244.55,139.25 v2(244.6,139.2) ; v2(246.6,148.3) v2@246.747,148.447 ; VD19.1@247.2,136 247.375,136 247.375,133.645 RY19.6@250.28,130.74
  Bottom Layer w0.5: v2(241.761,139.3) 241.761,142.961 246.453,147.653 246.453,148.153 v2(246.6,148.3) ; v2(244.6,139.2) 244.612,139.188 244.612,138.253 250.28,132.585 RY19.6@250.28,130.74
NetRY20_6: RY20.6 VD20.1 VT20.3 | length 20.3
  Top Layer w0.3: VD20.1@258.4,136 258.4,137.089 259.5,138.189 VT20.3@259.5,149.4
  Top Layer w0.5: VD20.1@258.4,136 258.407,136 258.407,135.293 259.5,134.2 261.28,132.42 RY20.6@261.28,130.74
NetRY21_6: RY21.6 VD21.1 VT21.3 | length 20.4
  Top Layer w0.3: VD21.1@269.3,136 269.3,139.173 270.5,140.373 270.5,149.317 VT21.3@270.416,149.4
  Top Layer w0.5: VD21.1@269.3,136 269.307,136 269.307,135.293 272.2,132.4 RY21.6@272.2,130.74
NetRY22_6: RY22.6 VD22.1 VT22.3 | length 20.5
  Top Layer w0.3: VD22.1@214.4,136 214.4,137.589 215.633,138.822 215.633,149.317 VT22.3@215.55,149.4
  Top Layer w0.5: VD22.1@214.4,136 214.4,135 217.333,132.067 217.333,130.887 RY22.6@217.48,130.74
NetRY23_6: RY23.6 VD23.1 VT23.3 | length 23.2
  Top Layer w0.3: v2@226.7,138.498 VT23.3@226.7,149.4 ; VT23.3@226.7,149.5 VD23.1@230.5,149.5
  Top Layer w0.5: v2@226.7,138.498 v2(226.706,138.492) ; VT23.3@226.7,149.4 VT23.3@226.7,149.5
  Bottom Layer w0.5: v2(226.706,138.492) 226.7,138.486 226.7,132.34 RY23.6@228.3,130.74
NetRY24_6: RY24.6 VD24.1 VT24.3 | length 22.2
  Top Layer w0.3: v2(237.1,147.639) VT24.3@237.1,149.4
  Top Layer w0.5: VD24.1@236.3,136.1 236.3,135.3 v2(237.6,134) 237.6,132.38 RY24.6@239.28,130.7
  Bottom Layer w0.5: v2(237.1,147.639) 237.1,144.387 237.6,143.887 v2(237.6,134)
NetRY25_6: RY25.6 VD25.1 VT25.3 | length 43.7
  Top Layer w0.3: VT25.3@281.4,149.4 281.418,149.382 281.418,148.782 283.688,146.512 286.388,146.512 v2(288.7,144.2)
  Top Layer w0.5: VD25.1@280.5,136 280.568,136 280.568,135.332 283.299,132.601 RY25.6@283.299,130.8 ; v2(288.7,125.4) 288.7,125.478 288.1,126.078 288.1,129.322 288.7,129.922 v2(288.7,130)
  Bottom Layer w0.5: RY25.6@283.299,130.8 283.705,130.8 284.142,130.363 284.337,130.363 288.553,126.147 288.553,125.547 v2(288.7,125.4) ; v2(288.7,130) 288.7,130.208 288.468,130.44 288.468,139.261 288.7,139.493 v2(288.7,144.2)
NetRY26_6: RY26.6 VD26.1 VT26.3 | length 42.2
  Top Layer w0.5: VT26.3@292.35,149.4 292.35,149.435 300.865,149.435 v2(300.9,149.471) ; VD26.1@292.6,134.6 292.6,132.599 RY26.6@294.399,130.8 ; v2(294.847,137.753) 296.828,137.753 297.581,137 v2(297.789,137)
  Bottom Layer w0.5: RY26.6@294.399,130.8 293,132.199 293,136.2 293.698,136.898 293.785,136.898 294.639,137.753 v2(294.847,137.753) ; v2(297.789,137) 300.186,137 303.523,140.337 303.523,144.123 300.9,146.746 v2(300.9,149.471)
NetRY27_6: RY27.6 VD27.1 VT27.3 | length 29.4
  Top Layer w0.5: VD27.1@302.4,136 302.407,136 302.407,135.293 305.28,132.42 RY27.6@305.28,130.74 ; VT27.3@303.55,149.4 303.55,149.435 306.965,149.435 v2(307,149.471)
  Bottom Layer w0.5: RY27.6@305.28,130.74 307,132.46 v2(307,149.471)
NetRY28_6: RY28.6 VD28.1 VT28.3 | length 29
  Top Layer w0.5: v2(311,149.471) 311.071,149.4 VT28.3@314.3,149.4 ; VD28.1@314.8,134.5 314.8,134.432 315.468,134.432 316.28,133.62 RY28.6@316.28,130.74
  Bottom Layer w0.5: v2(311,149.471) 311,136.02 RY28.6@316.28,130.74
NetRY29_6: RY29.6 VD29.1 VT29.3 | length 22.2
  Top Layer w0.3: v2@325.3,147.939 VT29.3@325.3,149.4
  Top Layer w0.5: VD29.1@324.2,136 324.2,135.136 v2(325.453,133.883) 325.522,133.814 325.522,132.498 RY29.6@327.28,130.74 ; v2@325.3,147.939 v2(325.447,147.792)
  Bottom Layer w0.5: v2(325.447,147.792) 325.447,147.353 325.539,147.261 325.539,138.128 325.5,138.089 325.5,133.93 v2(325.453,133.883)
NetRY30_6: RY30.6 VD30.1 VT30.3 | length 30.3
  Top Layer w0.5: v2(329.561,137.961) 329.708,138.108 330.912,138.108 335.21,133.81 ; v2(332.95,149.439) 332.989,149.4 VT30.3@336.3,149.4 ; VD30.1@335.3,136 335.3,133.9 335.21,133.81 ; RY30.6@338.28,130.74 335.21,133.81
  Bottom Layer w0.5: v2(329.561,137.961) 329.561,142.561 332.95,145.95 v2(332.95,149.439)
NetRY31_6: RY31.6 VD31.1 VT31.3 | length 27.2
  Top Layer w0.5: VD31.1@346.3,136 346.3,135.2 349.28,132.22 RY31.6@349.28,130.74 ; v2(347.3,147.9) 348.5,149.1 VT31.3@348.5,150.1
  Bottom Layer w0.5: v2(347.3,147.9) 347.404,147.796 347.404,132.616 RY31.6@349.28,130.74
NetRY32_6: RY32.6 VD32.1 VT32.3 | length 27
  Top Layer w0.5: VD32.1@357.2,136 357.207,136 357.207,135.293 360.28,132.22 RY32.6@360.28,130.74 ; v2(358.519,138.781) 358.5,138.8 358.5,144.373 359,144.873 VT32.3@359,150.2
  Bottom Layer w0.5: v2(358.519,138.781) 358.5,138.762 358.5,132.52 RY32.6@360.28,130.74
NetRY33_6: RY33.6 VD33.1 VT33.3 | length 20.3
  Top Layer w0.3: VD33.1@368.307,136 368.307,139.18 369.4,140.273 VT33.3@369.4,149.4
  Top Layer w0.5: VD33.1@368.3,136 368.3,135.1 371.233,132.167 371.233,130.787 RY33.6@371.28,130.74
NetRY34_6: RY34.6 VD34.1 VT34.3 | length 31.1
  Top Layer w0.3: VT34.3@380.1,149.9 380.118,149.882 380.118,149.282 380.553,148.847 v2@381.853,148.847
  Top Layer w0.5: VD34.1@379.3,136 379.307,136 379.307,135.293 382.28,132.32 RY34.6@382.28,130.74 ; v2@381.853,148.847 v2(382,148.7)
  Bottom Layer w0.5: v2(382,148.7) 377.396,144.096 377.396,140.046 382.28,135.162 RY34.6@382.28,130.74
NetRY35_6: RY35.6 VD35.1 VT35.3 | length 20.3
  Top Layer w0.3: VD35.1@373.3,105.4 373.3,109.073 374.5,110.273 VT35.3@374.5,119.3
  Top Layer w0.5: VD35.1@373.3,105.4 373.307,105.4 373.307,104.693 375.983,102.017 375.983,100.737 RY35.6@376.08,100.64
NetRY36_6: RY36.6 VD36.1 VT36.3 | length 20.4
  Top Layer w0.3: VD36.1@384.2,105.4 384.2,109.173 385.579,110.552 VT36.3@385.579,119.3
  Top Layer w0.5: VD36.1@384.2,105.4 384.207,105.4 384.207,104.693 386.933,101.967 386.933,100.787 RY36.6@387.08,100.64
RX1: DD2.31 X1.2 | length 108.7
  Top Layer w0.5: X1.2@259.03,171.78 257.694,173.116 257.022,173.116 256.141,173.997 256.141,175.243 258.344,177.446 272.267,177.446 272.279,177.458 276.321,177.458 276.333,177.446 276.82,177.446 279,175.266 279,172.066 280.166,170.9 338.27,170.9 DD2.31@349.62,159.55
Shift_register: DD1.11 DD2.26 DD3.11 DD4.11 DD5.11 | length 136.7
  Top Layer w0.5: DD4.11@239.037,162.375 239.037,161.75 240.187,160.6 247.9,160.6 v3(250.1,162.8) v3@250.1,162.847 ; v3@252.867,165.614 v3(252.867,165.661) ; v3@252.914,165.614 255.583,168.283 269.654,168.283 ; DD1.11@260.937,162.575 260.937,161.95 261.948,160.939 v2(265.65,160.939) ; v2(267.2,162.861) 267.2,165.829 269.654,168.283 ; DD3.11@283.166,162.694 DD3.11@283.185,162.675 283.204,162.656 283.204,161.396 v2(284.15,160.45) ; v2(288.5,162.861) 288.5,166.029 290.754,168.283 ; v2(302.172,167.639) 301.963,167.639 301.319,168.283 290.754,168.283 ; v2(305.347,164.489) 305.421,164.489 306.611,163.299 306.619,163.299 306.619,162.694 306.656,162.656 306.656,161.344 307.184,160.816 335.654,160.816 DD2.26@336.92,159.55 ; 269.654,168.283 290.754,168.283
  Bottom Layer w0.5: v3(250.1,162.8) 250.1,162.847 252.867,165.614 v3(252.867,165.661) ; v2(265.65,160.939) 265.65,162.15 266.301,162.801 267.14,162.801 v2(267.2,162.861) ; v2(284.15,160.45) 286.15,160.45 288.5,162.8 v2(288.5,162.861) ; v2(302.172,167.639) 302.184,167.639 305.334,164.489 v2(305.347,164.489)
Storage_register: DD1.12 DD2.25 DD3.12 DD4.12 DD5.12 | length 108.9
  Top Layer w0.5: DD4.12@237.767,162.375 237.786,162.356 237.786,161.314 239.312,159.788 258.958,159.788 259.667,160.497 DD1.12@259.667,162.575 ; 258.97,159.8 266.122,159.8 266.905,160.583 v2(274,160.583) ; v2(281.9,160.4) 281.908,160.408 281.908,162.667 DD3.12@281.915,162.675 ; v2(303.7,160.4) 305.367,160.4 ; DD5.12@305.367,162.675 305.367,160.433 305.4,160.4 ; 305.489,160.311 306.1,159.7 334.23,159.7 DD2.25@334.38,159.55
  Bottom Layer w0.5: v2(274,160.583) 274.709,161.291 280.8,161.291 281.692,160.4 v2(281.9,160.4) 284.1,158.2 301.5,158.2 v2(303.7,160.4)
TX1: DD2.30 X1.1 | length 105.6
  Top Layer w0.5: X1.1@256.26,171.78 258.04,170 268.2,170 270.5,172.3 270.5,175 272.192,176.692 272.579,176.692 272.591,176.704 276.009,176.704 276.021,176.692 276.508,176.692 278.2,175 278.2,171.8 279.9,170.1 337.8,170.1 347.08,160.82 DD2.30@347.08,159.55
Vin: C5.2 L1.1 XP1.1 | length 13.8
  Top Layer w0.5: L1.1@211.85,156.575 211.85,159.8 211.85,161.55 212.6,162.3 XP1.1@212.6,170.1
pads on no net: DD1. DD1.25 DD2.1 DD2.3 DD2.4 DD2.7 DD2.10 DD2.11 DD2.12 DD2.13 DD2.14 DD2.15 DD2.16 DD2.17 DD2.21 DD2.22 DD2.27 DD2.29 DD2.32 DD2.33 DD2.38 DD2.39 DD2.40 DD2.41 DD2.45 DD2.46 DD2.A1 DD3. DD3.25 DD4. DD4.25 DD5. DD5.9 DD5.25 DD6.5 RY1. RY1.1 RY1.7 RY1.9 RY1.13 RY2. RY2.1 RY2.7 RY2.9 RY2.13 RY3. RY3.1 RY3.7 RY3.9 RY3.13 RY4. RY4.1 RY4.7 RY4.9 RY4.13 RY5. RY5.1 RY5.7 RY5.9 RY5.13 RY6. RY6.1 RY6.7 RY6.9 RY6.13 RY7. RY7.1 RY7.7 RY7.9 RY7.13 RY8. RY8.1 RY8.7 RY8.9 RY8.13 RY9. RY9.1 RY9.7 RY9.9 RY9.13 RY10. RY10.1 RY10.7 RY10.9 RY10.13 RY11. RY11.1 RY11.7 RY11.9 RY11.13 RY12. RY12.1 RY12.7 RY12.9 RY12.13 RY13. RY13.1 RY13.7 RY13.9 RY13.13 RY14. RY14.1 RY14.7 RY14.9 RY14.13 RY15. RY15.1 RY15.7 RY15.9 RY15.13 RY16. RY16.1 RY16.7 RY16.9 RY16.13 RY17. RY17.1 RY17.7 RY17.9 RY17.13 RY18. RY18.1 RY18.7 RY18.9 RY18.13 RY19. RY19.1 RY19.7 RY19.9 RY19.13 RY20. RY20.1 RY20.7 RY20.9 RY20.13 RY21. RY21.1 RY21.7 RY21.9 RY21.13 RY22. RY22.1 RY22.7 RY22.9 RY22.13 RY23. RY23.1 RY23.7 RY23.9 RY23.13 RY24. RY24.1 RY24.7 RY24.9 RY24.13 RY25. RY25.1 RY25.7 RY25.9 RY25.13 RY26. RY26.1 RY26.7 RY26.9 RY26.13 RY27. RY27.1 RY27.7 RY27.9 RY27.13 RY28. RY28.1 RY28.7 RY28.9 RY28.13 RY29. RY29.1 RY29.7 RY29.9 RY29.13 RY30. RY30.1 RY30.7 RY30.9 RY30.13 RY31. RY31.1 RY31.7 RY31.9 RY31.13 RY32. RY32.1 RY32.7 RY32.9 RY32.13 RY33. RY33.1 RY33.7 RY33.9 RY33.13 RY34. RY34.1 RY34.7 RY34.9 RY34.13 RY35. RY35.1 RY35.7 RY35.9 RY35.13 RY36. RY36.1 RY36.7 RY36.9 RY36.13 VT1. VT2. VT3. VT4. VT5. VT6. VT7. VT8. VT9. VT10. VT11. VT12. VT13. VT14. VT15. VT16. VT17. VT18. VT19. VT20. VT21. VT22. VT23. VT24. VT25. VT26. VT27. VT28. VT29. VT30. VT31. VT32. VT33. VT34. VT35. VT36. X1.4 X1.5 X1.6 X1.7 X1.8 X1.9 X1.G1 X1.G2 XP1.3

## Polygon pours and split planes (outlines as drawn)
GND on Top Layer "GND_L01_P000" (solid, remove dead copper, pour order 0): 189.6,182.8 407.3,182.8 407.3,76.4 189.7,76.4 189.7,181.119
GND on Bottom Layer "GND_L02_P001" (solid, pour order 1): 189.7,181.119 189.7,182.8 407.3,182.8 407.3,76.4 189.7,76.4

## Keep-outs
Keep-Out Layer:
  lines w0.254: 189.619,76.4 189.619,182.817 ; 189.7,76.4 407.3,76.4 407.3,182.817 189.717,182.817

## Other copper
Top Layer:
  pour cut-out: 268.72,169.614 279.492,169.614 279.492,169.837 277.725,171.603 276.209,170.087 272.814,170.087 272.673,169.946 270.863,171.756 270.863,171.937
  pour cut-out: 248.112,153.671 248.941,154.5 253.288,154.5 253.288,154.203 249.397,150.312 248.9,150.809 248.9,151.7
  pour cut-out: 284.149,167.769 284.266,167.652 289.396,167.652 288.315,166.571 288.187,166.7 285,166.7 285,166.752 284.1,167.652
  pour cut-out: 268.048,167.9 268.296,167.652 266.915,166.271 266.629,166.271 265,167.9
  pour cut-out: 304.5,156.8 304.5,154.983 305.671,153.812 305.678,153.82 307.239,153.82 307.239,153.979 306.3,154.917 306.3,156.8
  pour cut-out: 298.127,156.834 298.16,156.8 308.8,157.8 309.6,161.465 309.635,161.5 309.535,161.6 299.835,161.5
Multi-Layer:
  pour cut-out: 190.054,182.506 190.054,177.502 190.054,176.995 195.946,176.995 195.946,182.494
  pour cut-out: 190.007,82.306 190.007,76.807 190,76.8 195.9,76.8 195.9,82.293
  pour cut-out: 400.9,82.307 400.9,76.8 406.9,76.8 406.9,82.294
  pour cut-out: 401,182.456 401,176.944 407,176.944 407,182.444

## Silkscreen, mask and mechanical layers (free items; w line width, h text height)
Top Overlay:
  drawing of 16 lines, arcs and shapes, not listed